# Altium PCB uMultimeter__Pcb.PcbDoc
Units mil, origin at the board's own origin, x right, y up, seen from the top; angles counter-clockwise.
Board outline 1260 x 1260 mil, 2 copper layers (Top Layer, Bottom Layer); 55 components, 58 nets, 209 pads, 55 vias.
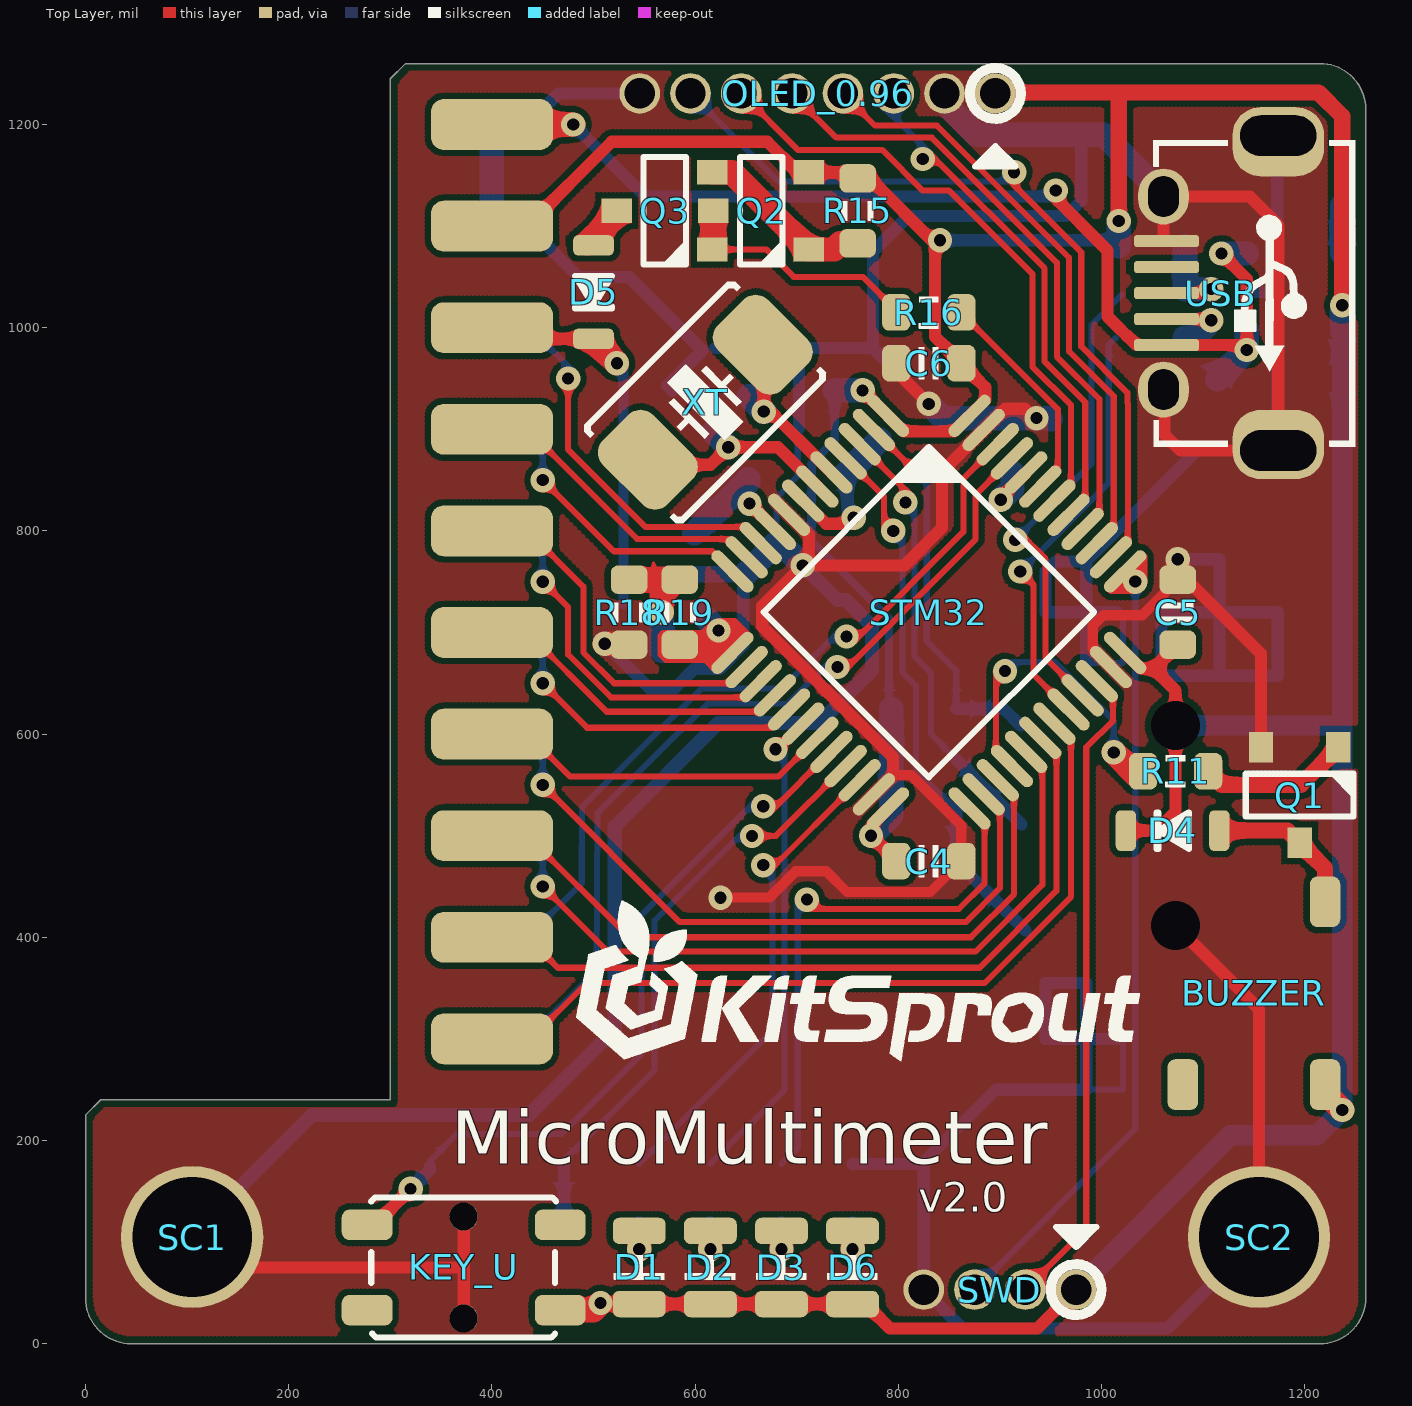
[diagram p0: Top Layer view]
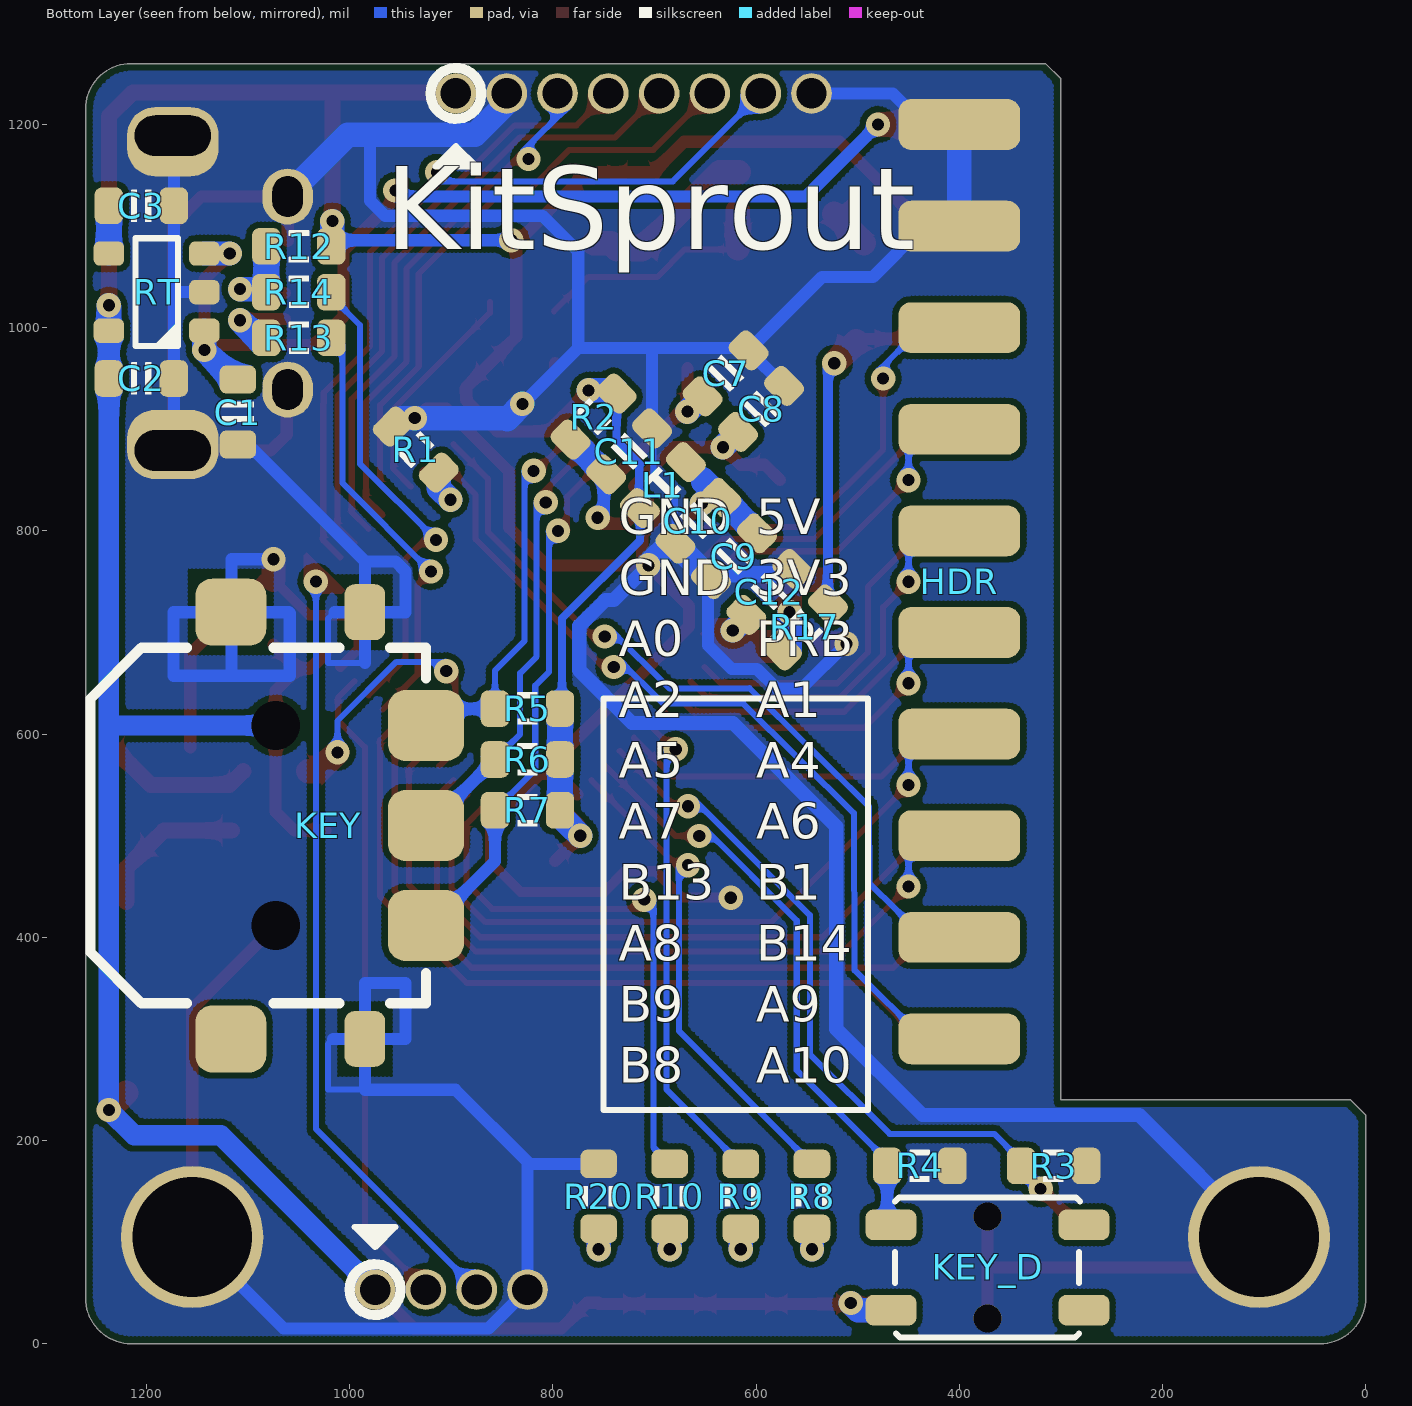
[diagram p1: Bottom Layer view, seen from below]
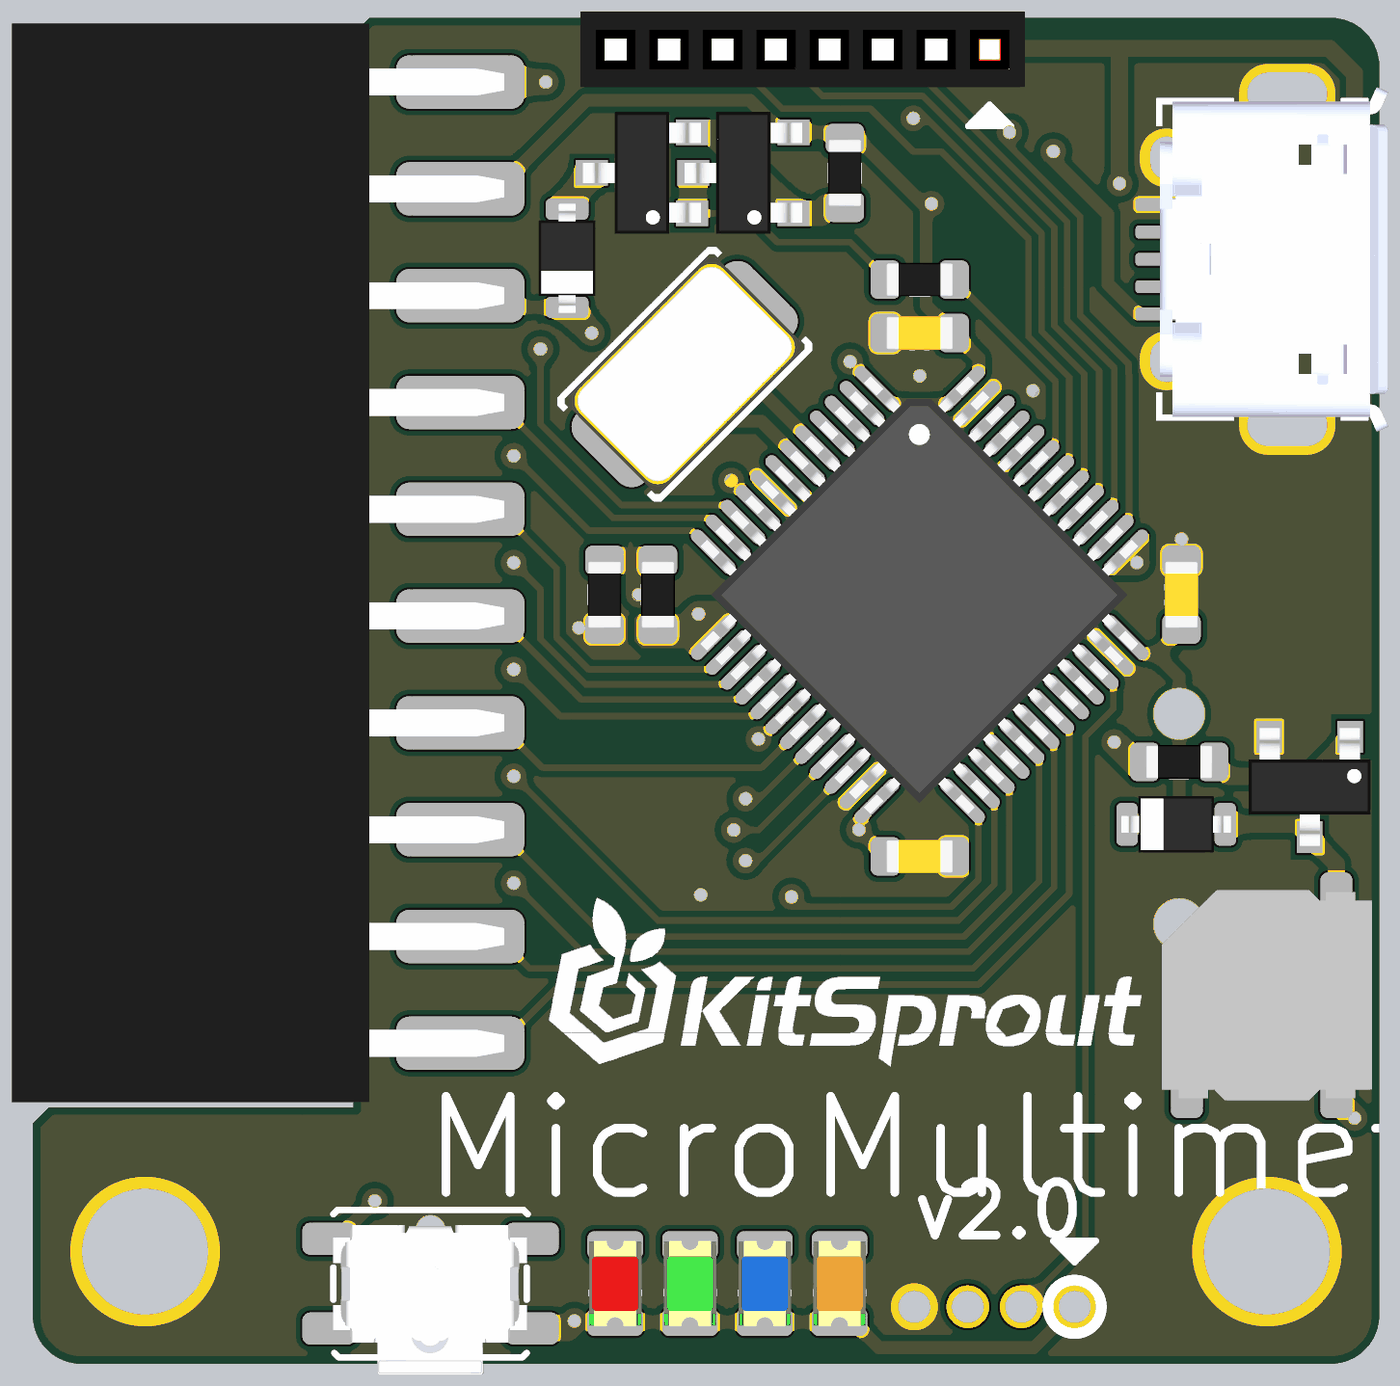
[diagram p2: 3D render of the assembled board from above, using the file's embedded part models]
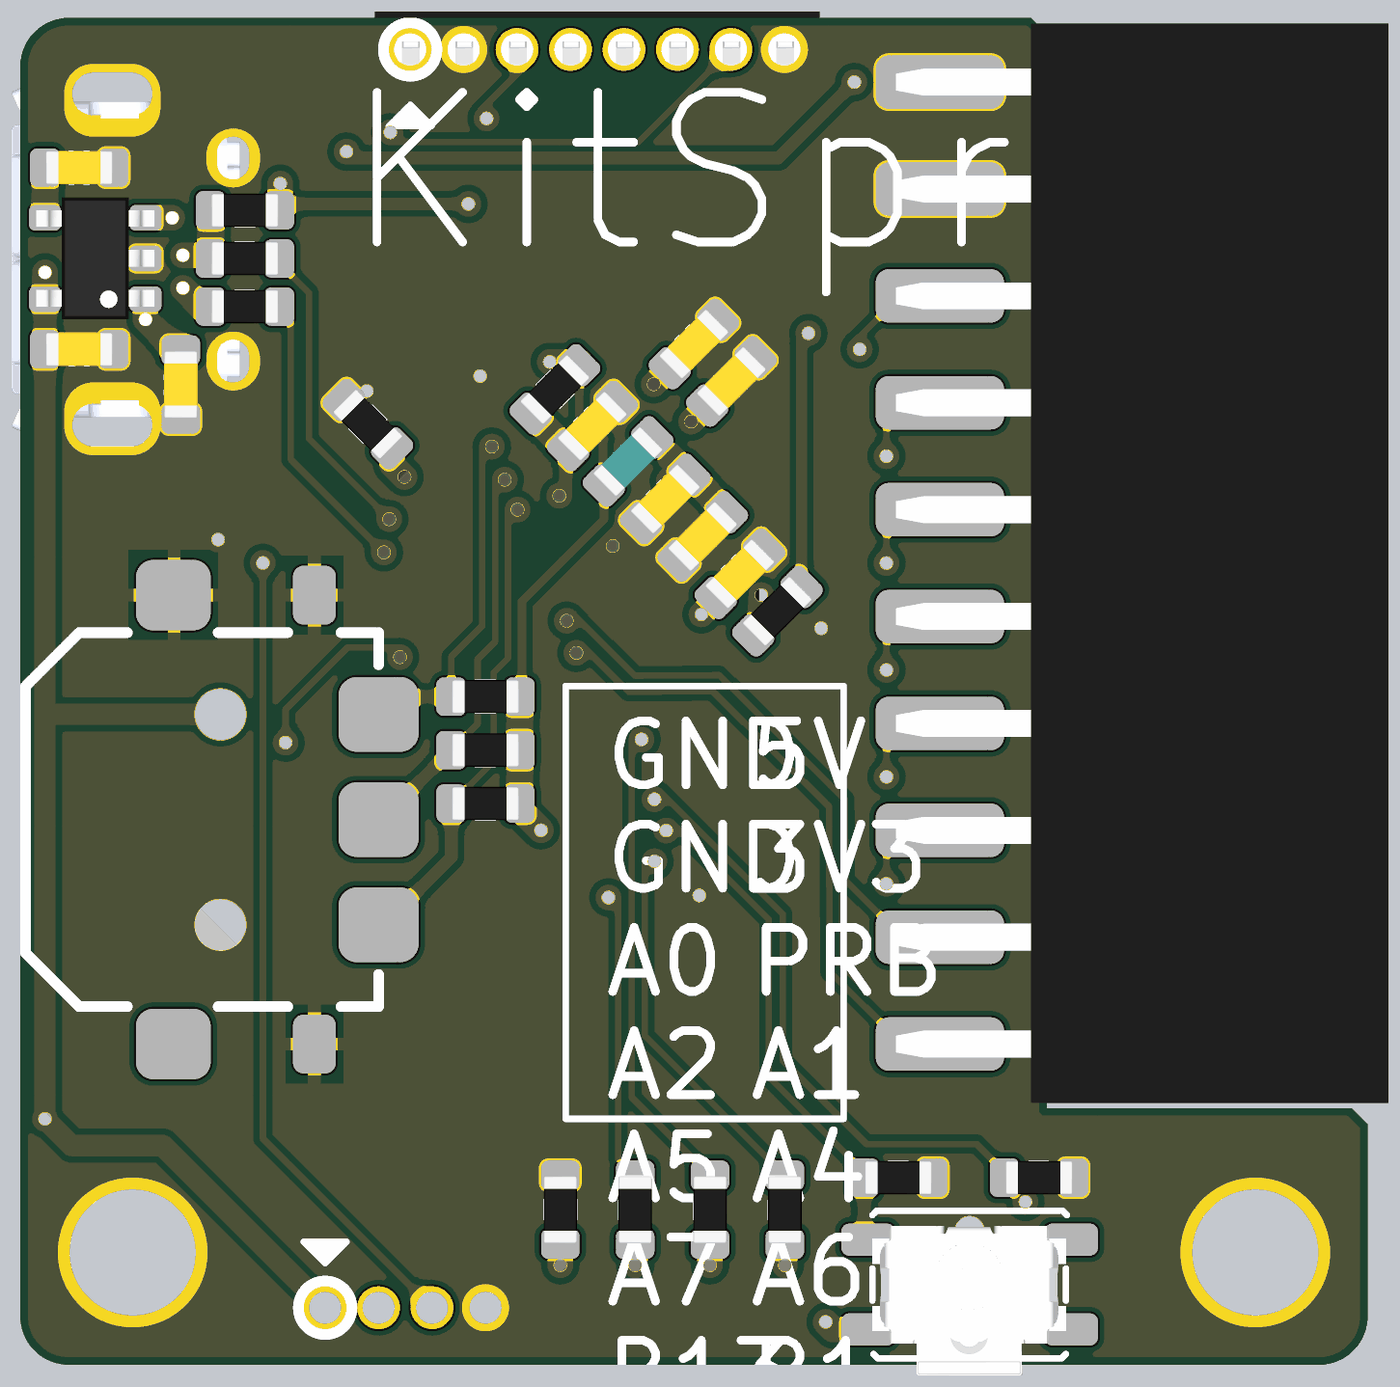
[diagram p3: 3D render of the assembled board from below, using the file's embedded part models]

## Layer stack, top to bottom
Top Solder: solder mask 0.4, Solder Resist, Dk 3.5
Top Layer: signal copper 1.4
Dielectric1: dielectric 12.6, FR-4, Dk 4.8
Bottom Layer: signal copper 1.4
Bottom Solder: solder mask 0.4, Solder Resist, Dk 3.5

## Board outline
0,45 ccw(c45,45) 45,0 1215,0 ccw(c1215,45) 1260,45 1260,1215 ccw(c1215,1215) 1215,1260 315,1260 300,1245 300,240 15,240 0,225

## Design rules (kind name [scope] priority, off if disabled: settings)
Clearance ClearancePolygon [InPolygon] p1: gap=6
Clearance [All] p2: gap=6
ComponentClearance [All] p1: gap=0 collisioncheckmode=3 verticalgap=0 showdistances=FALSE
Height [All] p1: minheight=0 maxheight=5000 prefheight=500
HoleSize [All] p1: absolutevalues=TRUE maxlimit=200 minlimit=1 maxpercent=80.000 minpercent=20.000
HoleToHoleClearance [All] p1: gap=6 allowstackedmicrovias=TRUE
MinimumSolderMaskSliver [All] p1: minsoldermaskwidth=0
PlaneConnect [All] p1: planeconnectstyle=Direct reliefexpansion=20 reliefentries=4 reliefconductorwidth=20 reliefairgap=10
PolygonConnect [All] p1: connectstyle=Direct reliefconductorwidth=20 reliefentries=4 polygonreliefangle="90 Angle" airgapwidth=10
RoutingVias [All] p1: holewidth=12 width=20 viastyle="Through Hole" minholewidth=12 minwidth=20 maxholewidth=100 maxwidth=200
SilkToSilkClearance [All] p1: silktosilkclearance=0
SilkToSolderMaskClearance SilkscreenOverComponentPads [IsPad] p1: minsilkscreentomaskgap=0 clearancetoexposedcopper=TRUE
SolderMaskExpansion [All] p1: expansion=2
Width [All] p1: maxlimit=64 minlimit=6 preferedwidth=10
22 further rules are at their usual default settings.

## Classes and differential pairs
component class uMultimeter_MAIN_Sch: SC1 SC2
component class SWD: SWD
component class PROBE: C12 D5 Q2 Q3 R15 R16 R17 R19 R20
component class OLED: OLED_0.96
component class MCU: C4 C5 C6 C7 C8 C9 C10 C11 L1 R1 R2 STM32 XT
component class LED: D1 D2 D3 R8 R9 R10
component class KEY: KEY KEY_D KEY_U R3 R4 R5 R6 R7
component class EXP: HDR
component class BUZZER: BUZZER D4 Q1 R11
component class PWR: C1 C2 C3 D6 R20 RT
component class USB: R12 R13 R14 USB

## Components (designator, comment, footprint, x,y, rotation, side; value= is the part's Value field where it differs from the comment)
BUZZER "Buzzer" Buzzer_5x5 1155,345 r0 top
C1 "Cap_0603" CAP_0603 1110,917 r90 bottom
C2 "Cap_0603" CAP_0603 1205,950 r0 bottom
C3 "Cap_0603" CAP_0603 1205,1120 r0 bottom
C4 "Cap_0603" CAP_0603 830,475 r180 top
C5 "Cap_0603" CAP_0603 1075,720 r270 top
C6 "Cap_0603" CAP_0603 830,965 r0 top
C7 "Cap_0603" CAP_0603 630,955 r135 bottom
C8 "Cap_0603" CAP_0603 595,920 r135 bottom
C9 "Cap_0603" CAP_0603 621.8,775 r135 bottom
C10 "Cap_0603" CAP_0603 656.8,810 r135 bottom
C11 "Cap_0603" CAP_0603 725,878.2 r315 bottom
C12 "Cap_0603" CAP_0603 587,740 r315 bottom
D1 "LED_0805" LED_0805_RED 545,75 r90 top
D2 "LED_0805" LED_0805_GREEN 615,75 r90 top
D3 "LED_0805" LED_0805_BLUE 685,75 r90 top
D4 "Diode_SOD323" SOD-323 1070,505 r180 top
D5 "Diode_SOD323" SOD-323 500,1035 r270 top
D6 "LED_0805" LED_0805_ORANGE 755,75 r90 top
HDR "HDR2x10_2.54" HDR2X10_2.54_180HF 400,1200 r180 bottom locked
KEY "ButtonPushLever_11*12_90" ButtonPushLever_11*12_90 1065,510 r90 bottom locked
KEY_D "ButtonTACT" ButtonTACT_3.5*3.55_90 372.19,75 r0 bottom
KEY_U "ButtonTACT" ButtonTACT_3.5*3.55_90 372.19,75 r180 top
L1 "Ind_0603" IND_0603 691.67,845 r135 bottom
OLED_0.96 "OLED_0.96" OLED_0.96_96x64_v2 630,630 r0 top locked
Q1 "BJT_NPN" SOT23-3 1195,540 r270 top
Q2 "BJT_PNP" SOT23-3 665,1115 r180 top
Q3 "BJT_PNP" SOT23-3 570,1115 r180 top
R1 "Res_0603" RES_0603 935,880 r225 bottom
R2 "Res_0603" RES_0603 760,912.43 r135 bottom
R3 "Res_0603" RES_0603 307.19,175 r0 bottom
R4 "Res_0603" RES_0603 438.83,175 r0 bottom
R5 "Res_0603" RES_0603 825,625 r180 bottom
R6 "Res_0603" RES_0603 825,575 r180 bottom
R7 "Res_0603" RES_0603 825,525 r180 bottom
R8 "Res_0603" RES_0603 545,145 r270 bottom
R9 "Res_0603" RES_0603 615,145 r270 bottom
R10 "Res_0603" RES_0603 685,145 r90 bottom
R11 "Res_0603" RES_0603 1072.87,563.43 r180 top
R12 "Res_0603" RES_0603 1050,1080 r0 bottom
R13 "Res_0603" RES_0603 1050,990 r180 bottom
R14 "Res_0603" RES_0603 1050,1035 r180 bottom
R15 "Res_0603" RES_0603 760,1115 r90 top
R16 "Res_0603" RES_0603 830,1015 r180 top
R17 "Res_0603" RES_0603 552,705 r135 bottom
R18 "Res_0603" RES_0603 535,720 r270 top
R19 "Res_0603" RES_0603 585,720 r270 top
R20 "Res_0603" RES_0603 755,145 r90 bottom
RT "RT9193" SOT23-5 1190,1035 r0 bottom
SC1 "M3" SCRREW_M3 105,105 r0 top locked
SC2 "M3" SCRREW_M3 1155,105 r0 top
STM32 "STM32F303C" LQFP_P0.5_48 830,720 r315 top locked
SWD "HDR1x4_1.27" HDR1X4_1.27_180 975,53.25 r270 top
USB "USB_Micro" USB_Micro-AB 1164,1034 r270 top
XT "XTAL_5032_2P" XT_5032_2 610,926.6 r45 top

## Footprints (in the part's own frame and the unit in brackets; to place one, negate y for a bottom-side part, rotate by r counter-clockwise, add the part's x,y. Pads: shape width x height; smd on the part's side, far side on the other; paste and mask are expansions set on the pad)
ButtonPushLever_11*12_90 [mil]
  rrect50% 55x40 smd: 0(-210,-80) 0(210,-80)
  round 40 hole 48 mask+0: 0(-98.43,7.87) 0(98.43,7.87)
  rrect50% 70x75 smd: 1(-98.43,-140) 2(0,-140) 3(98.43,-140)
  rrect50% 66x70 smd: 4(210,52) 5(-210,52)
  silkscreen extent -175,-140 175,190
ButtonTACT_3.5*3.55_90 [mil]
  round 27.56 hole 27.56 mask+0: 0(-0.01,-50) 0(0,50)
  rrect50% 50x30 smd: 1(-95,42) 2(-95,-42) 3(95,42) 4(95,-42)
  silkscreen extent -91,-69 91,69, body extent -90,-55 91,85, height 56
Buzzer_5x5 [mil]
  rrect50% 30x50 smd: N(65,90) NC(-75,-90) P(65,-90)
  body extent -98,-98 98,98, height 106
CAP_0603 [mil]
  rrect50% 28x36 smd: 1(-32,0) 2(32,0)
  silkscreen extent -10,-16 10,16, body extent -31,-16 31,16, height 36
HDR1X4_1.27_180 [mil]
  round 40 hole 30: 1(0,0) 2(0,-50) 3(0,-100) 4(0,-150)
HDR2X10_2.54_180HF [mil]
  rrect50% 120x50 smd: 1(0,0) 3(0,-100) 5(0,-200) 7(0,-300) 9(0,-400) 11(0,-500) 13(0,-600) 15(0,-700) 17(0,-800) 19(0,-900)
  rrect50% 120x50 smd far side: 2(0,0) 4(0,-100) 6(0,-200) 8(0,-300) 10(0,-400) 12(0,-500) 14(0,-600) 16(0,-700) 18(0,-800) 20(0,-900)
  body extent -41,-955 420,55, height 88
IND_0603 [mil]
  rrect50% 28x36 smd: 1(-32,0) 2(32,0)
  silkscreen extent -10,-15 10,15, body extent -31,-16 31,16, height 37
LED_0805_BLUE [mil]
  rrect50% 26x52 smd: 1(-36,0) 2(36,0)
  silkscreen extent -12,-24 12,24, body extent -40,-25 40,25, height 43
LED_0805_GREEN [mil]
  rrect50% 26x52 smd: 1(-36,0) 2(36,0)
  silkscreen extent -12,-24 12,24, body extent -40,-25 40,25, height 43
LED_0805_ORANGE [mil]
  rrect50% 26x52 smd: 1(-36,0) 2(36,0)
  silkscreen extent -12,-24 12,24, body extent -40,-25 40,25, height 43
LED_0805_RED [mil]
  rrect50% 26x52 smd: 1(-36,0) 2(36,0)
  silkscreen extent -12,-24 12,24, body extent -40,-25 40,25, height 43
LQFP_P0.5_48 [mil]
  oval 54x12 smd: 1(-165,108.27) 2(-165,88.58) 3(-165,68.9) 4(-165,49.21) 5(-165,29.53) 6(-165,9.84) 7(-165,-9.84) 8(-165,-29.53) 9(-165,-49.21) 10(-165,-68.9) 11(-165,-88.58) 12(-165,-108.27) 25(165,-108.27) 26(165,-88.58) 27(165,-68.9) 28(165,-49.21) 29(165,-29.53) 30(165,-9.84) 31(165,9.84) 32(165,29.53) 33(165,49.21) 34(165,68.9) 35(165,88.58) 36(165,108.27)
  oval 12x54 smd: 13(-108.27,-165) 14(-88.58,-165) 15(-68.9,-165) 16(-49.21,-165) 17(-29.53,-165) 18(-9.84,-165) 19(9.84,-165) 20(29.53,-165) 21(49.21,-165) 22(68.9,-165) 23(88.58,-165) 24(108.27,-165) 37(108.27,165) 38(88.58,165) 39(68.9,165) 40(49.21,165) 41(29.53,165) 42(9.84,165) 43(-9.84,165) 44(-29.53,165) 45(-49.21,165) 46(-68.9,165) 47(-88.58,165) 48(-108.27,165)
  silkscreen extent -115,-115 115,115, body extent -177,-178 177,177, height 61
OLED_0.96_96x64_v2 [mil]
  round 40 hole 30: 1(265.45,600.55) 2(215.45,600.55) 3(165.45,600.55) 4(115.45,600.55) 5(65.45,600.55) 6(15.45,600.55) 7(-34.55,600.55) 8(-84.55,600.55)
  body extent -117,565 298,636, height 134
RES_0603 [mil]
  rrect50% 28x36 smd: 1(-32,0) 2(32,0)
  silkscreen extent -10,-15 10,15, body extent -31,-16 32,16, height 20
SCRREW_M3 [mil]
  round 140 hole 118 mask+0: 0(0,0)
SOD-323 [mil]
  rrect50% 20x40 smd: 1(-46,0) 2(46,0)
  silkscreen extent -16,-18 16,18, body extent -51,-27 51,27, height 43
SOT23-3 [mil]
  rect 30x24 smd: 1(-47,38) 2(-47,-38) 3(47,0)
  silkscreen extent -21,-53 21,53, body extent -55,-57 55,57, height 51
SOT23-5 [mil]
  rrect50% 30x24 smd: 1(-47,38) 2(-47,0) 3(-47,-38) 4(47,-38) 5(47,38)
  silkscreen extent -21,-53 21,53, body extent -55,-57 55,57, height 57
USB_Micro-AB [mil]
  rrect80% 68x90 hole 40 slot 75 at 90 deg copper offset 6,0 mask+0: 0(-155,10)
  oval 55x50 hole 30 slot 40 at 0 deg mask+0: 0(-95,-103) 0(95,-103)
  rrect80% 68x90 hole 40 slot 75 at 90 deg copper offset -6,0 mask+0: 0(155,10)
  rrect50% 12x64 smd: 1(51.18,-100) 2(25.59,-100) 3(0,-100) 4(-25.59,-100) 5(-51.18,-100)
  silkscreen extent -151,-113 151,86, body extent -161,-109 161,104, height 108
XT_5032_2 [mil]
  rrect50% 70x90 smd: 1(-80,0) 2(80,0)
  silkscreen extent -104,-68 104,68, body extent -98,-63 98,63, height 39

## Part data
C1 C2 C3 C4 C5 C6 C7 C8 C9 C10 C11 C12: "Capacitor"
D1 D2 D3 D6: "LED"
D4 D5: "Diode"
HDR SWD: "Header"
KEY KEY_D KEY_U: "Button"
L1: "Inductor"
OLED_0.96: library part OLED_0.96_96*64_v2, "Module"
Q1 Q2 Q3: "Transistor"
R1 R2 R3 R4 R5 R6 R7 R8 R9 R10 R11 R12 R13 R14 R15 R16 R17 R18 R19 R20: "Resistor"
RT: library part SP6205, "Power"
SC1 SC2: library part Screw_M3, "Screw"
STM32: "MCU"
USB: "USB"
XT: "Crystal Oscillator"

## Via types
v1: diameter 24, hole 12, Top Layer to Bottom Layer, 55 vias

## Nets (pads, with @x,y where several pads share a name; then routed paths per layer and width w, separated by ;. In a path a pad name is that pad's centre, name@x,y a point inside that pad or via, vN(x,y) a via of type N, cw(c..) or ccw(c..) an arc to the next point about the centre after c; other vN are vias at no path point)
3V3: BUZZER.P C2.2 C4.2 C5.2 C6.2 D1.1 D2.1 D3.1 D4.2 D6.1 HDR.4 KEY.0@1072.87,608.43 KEY_D.3 KEY_U.1 L1.1 OLED_0.96.1 Q2.2 R2.2 R5.2 R6.2 R7.2 R12.1 R15.2 RT.5 STM32.1 STM32.24 STM32.36 STM32.48 SWD.1 | length 4541.1
  Top Layer w12: HDR.4@435,1100 518,1183 671,1183 701,1153 Q2.2 R15.2@754,1153 ; KEY_U.1@472.19,32.91 478.28,39 505.83,39 D2.1 D6.1 D3.1@696.77,39 ; D6.1@755,40.36 766.31,40.36 791.68,15 936.75,15 SWD.1 ; R15.2 772,1147 v1@837,1082 ; v1(764.88,938.23) STM32.1 805.16,897.95 854.84,897.95 STM32.48 885.57,928.69 885.57,941.43 C6.2 836,991 v1@836,1085 ; STM32.24 774.43,511.31 774.43,498.58 C4.2 ; STM32.36 1038.69,664.43 1051.42,664.43 ; D4.2 1054.64,505 1072.87,523.23 1072.87,608.43 1072.87,642.98 1051.42,664.43 ; C5.2 1051.42,664.43
  Top Layer w16: OLED_0.96.1 896.41,1231.5 1213.5,1231.5 1237,1208 v1(1237,1022) ; v1(1017,1105) 1017,1230
  Top Layer w24: HDR.4 HDR.4@435,1100 ; KEY_U.1@472.19,32.91 499.73,32.91 505.83,39 v1(506.83,40) ; BUZZER.P@1220,247 v1(1237,230)
  Bottom Layer w8: 714,865.49 737.37,888.86 R2.2@737.37,938.23 ; L1.1 714.3,790.7 791,714 791,632 R5.2@798,625 ; L1.1@715,815.25 715,865.49
  Bottom Layer w12: v1(841,1086) 1008,1086 R12.1@1014,1080
  Bottom Layer w20: SWD.1 1126.75,205 1212,205 v1(1237,230) C2.2 RT.5 ; KEY.0@1072.87,608.43 1235,608.43
  Bottom Layer w24: KEY_D.3@472.19,32.91 499.73,32.91 v1(506.83,40) ; R2.2@737.37,938.23 v1(764.88,938.23) ; v1(773.11,500) 793,519.89 R5.2 ; R12.1@1017,1080 v1(1017,1105) ; RT.5 v1(1237,1022)
5V: C1.2 HDR.2 RT.1 RT.3 USB.1 | length 1061.4
  Top Layer w12: v1@951,1131 1006,1076 1006,1011 1034.18,982.82 v1@1138.18,982.82 ; v1(1118,1073) 1143,1048 v1(1143,978)
  Top Layer w24: HDR.2 v1(480,1200)
  Bottom Layer w12: v1(480,1200) 551,1129 v1@955,1129
  Bottom Layer w24: C1.2@1114,949 v1(1143,978) RT.1 ; v1(1118,1073) RT.3
  other v1: 955,1135
BOOT0: R1.2 STM32.44 | length 69
  Top Layer w12: v1(900.79,830.55) 900.79,832.55 STM32.44
  Bottom Layer w24: v1(900.79,830.55) 912.37,842.13 R1.2
BUZZER: R11.2 STM32.28 | length 298.7
  Top Layer w6: v1@895.94,662 895.94,584.46 STM32.28
  Top Layer w24: v1(1012,582) 1030.58,563.43 R11.2
  Bottom Layer w6: v1@904.94,671 954,671 1012,613 v1(1012,582)
  other v1: 904.94,662
EXP_01: HDR.5 STM32.10 | length 337.4
  Top Layer w6: v1(475,950) 475,880 551,804 648.56,804 STM32.10@648.65,803.92
  Bottom Layer w6: HDR.5@437,1000 v1@481,956
EXP_02: HDR.8 STM32.11 | length 302.9
  Top Layer w6: HDR.8 435,900 543,792 632.73,792 STM32.11
EXP_03: HDR.7 STM32.12 | length 315.2
  Top Layer w6: v1(450,850) 520,780 616.89,780 STM32.12
  Bottom Layer w6: HDR.7 435,900 450,885 v1(450,850)
EXP_04: HDR.10 STM32.14 | length 357.3
  Top Layer w6: HDR.10 435,800 490,745 490,680.3 520.27,650.03 634.76,650.03 STM32.14
EXP_05: HDR.9 STM32.15 | length 386.9
  Top Layer w6: v1(450,750) 475,725 475,678.33 517.22,636.12 648.68,636.12 STM32.15
  Bottom Layer w6: HDR.9 435,800 450,785 v1(450,750)
EXP_06: HDR.12 STM32.16 | length 317.5
  Top Layer w6: HDR.12 435,700 513,622 662.4,622 STM32.16
EXP_07: HDR.11 STM32.17 | length 359.2
  Top Layer w6: v1(450,650) 493.72,606.28 674.52,606.28 STM32.17
  Bottom Layer w6: HDR.11 435,700 450,685 v1(450,650)
EXP_08: HDR.14 STM32.19 | length 384.5
  Top Layer w6: HDR.14@431,600 HDR.14 435,600 476.9,558.1 682.02,558.1 STM32.19
EXP_09: HDR.13 STM32.26 | length 709.8
  Top Layer w6: v1(450,550) 585,415 866.46,415 899.97,448.51 899.97,524.76 STM32.26
  Bottom Layer w6: HDR.13 435,600 450,585 v1(450,550)
EXP_10: HDR.16 STM32.27 | length 722.7
  Top Layer w6: HDR.16@431,500 HDR.16 435,500 535,400 871.46,400 913.88,442.43 913.88,538.68 STM32.27
EXP_11: HDR.15 STM32.29 | length 774
  Top Layer w6: v1(450,450) 513.98,386.02 876.02,386.02 941.72,451.72 941.72,566.52 STM32.29
  Bottom Layer w6: HDR.15 435,500 450,485 v1(450,450)
EXP_12: HDR.18 STM32.30 | length 787.7
  Top Layer w6: HDR.18@431,400 HDR.18 435,400 465,370 880,370 955.64,445.64 955.64,580.44 STM32.30
EXP_13: HDR.17 STM32.46 | length 822.3
  Top Layer w6: v1@755,690 864,799 864,851.44 STM32.46
  Bottom Layer w6: HDR.17@450,385 435,400 HDR.17 434.58,399.83 488.42,453.15 488.79,528.57 606.46,645.08 685.13,644.7 v1@743,702
  other v1: 749,696
EXP_14: HDR.20 STM32.31 | length 805.9
  Top Layer w6: HDR.20@399.2,300 438.39,300 493.39,355 885,355 970,440 970,593.92 STM32.31
EXP_15: HDR.19 STM32.45 | length 914.1
  Top Layer w6: v1@745.61,661.39 876,791.79 876,835.6 STM32.45
  Bottom Layer w6: HDR.19@450,285 435,300 HDR.19 434.58,299.83 502.98,367.56 503.74,522.29 612.59,630.08 691.26,629.69 v1@735,673
  other v1: 740,666
GND: C1.1 C2.1 C3.1 C4.1 C5.1 C6.1 C7.2 C8.2 C9.1 C10.1 C11.1 C12.1 HDR.1 HDR.3 KEY.0@985,300 KEY.0@985,720 KEY.0@1072.87,411.57 KEY.4 KEY_D.0 KEY_U.0 OLED_0.96.2 OLED_0.96.8 Q1.2 R1.1 R3.1 R4.1 R18.2 R20.2 RT.2 SC1.0 SC2.0 STM32.8 STM32.23 STM32.35 STM32.47 SWD.4 USB.0 USB.5 | length 8575.8
  Top Layer w10: v1(625,439) 673,439 699,465 729.16,465 749.53,444.63 831.63,444.63 C4.1 862,510.37 812.75,559.62 STM32.23@794.89,559.62 ; STM32.35 991.38,683.89 991.38,706.38 1002.02,717.02 1040.02,717.02 C5.1
  Top Layer w12: SC1.0 135,75 372.19,75 ; KEY_D.0@372.19,25 372.19,75 ; KEY_D.0@372.19,124.99 372.19,75 ; STM32.8 712,796.24 v1@712,766 ; v1@712,765 v1@712,766 ; STM32.23 794.89,559.62 794.89,576.91 729.81,642 728.67,643.14 727.92,643.14 725.3,645.76 725.3,646.51 666,705.81 666,726 v1(706,766) v1@712,766 ; C6.1 798,957 v1(830,925) ; v1(936,911) 934,911 924.73,920.27 905,920.27 843,858.27 843,803 806,766 v1@712,766 ; USB.5@1061,1085.18 1061,1129 1146,1129 1174,1101 1174,879 1077.67,879 1062,894.67 USB.0@1062,940 ; KEY.0@1072.87,411.57 1155,329.45 SC2.0 ; C5.1 1084.17,752 1157,679.17 Q1.2
  Top Layer w24: v1(511,689) R18.2@535,689 ; C5.1 v1(1075,772)
  Bottom Layer w6: C10.1@680.05,788 680.05,832.05 701,854 C11.1@701,900.46 ; C11.1@702,900.46 C11.1 ; 985,250 1021.23,250 1021.23,295 1016.23,300 ; 985,670 1021.23,670 1021.23,713.77 1015,720
  Bottom Layer w12: HDR.3 435,1100 485,1050 535,1050 C7.2 C8.2 ; HDR.1@435,1200 465.55,1230.55 OLED_0.96.8 ; v1(511,689) 555,645 580,645 599,664 624,664 647.32,687.32 C9.1@647.32,743.93 ; C7.2@619.75,980 702.37,980 ; C10.1 C10.1@680.05,788 ; C11.1 702.37,980 ; R20.2 825,177 SWD.4 863.25,15 1065,15 SC2.0 ; 825,179 896,250 985,250 985,355 945,355 945,300 985,300 1016.23,300 ; v1(830,925) 775,980 ; 980,1190 980,1125 965,1110 810,1110 775,1075 775,980 ; 985,670 985,770 ; 1015,720 985,720 945,720 945,760 955,770 985,770 ; v1(1075,772) 1116.18,772 1116.18,657.45 ; C1.1@1114.61,880 1095,880 985,770 ; RT.2 1173,1035 ; USB.0@1173,880 1173,1035 ; USB.0@1173,1190 C3.1 1173,1035 ; 702.37,980 775,980 ; 1116.18,657.45 1173.46,657.45 1173.46,720 KEY.4 1060,720 1058.91,718.91 1058.91,657.45 1116.18,657.45
  Bottom Layer w14: SC1.0@102.96,105 222.96,225 436.2,225 521,309.8 521,509.15 622.85,611 722.1,611 774,662.9 774,706.36 748.36,732 740,732 v1(706,766)
  Bottom Layer w16: C12.1@570,757.37 C9.1@649.42,757.37
  Bottom Layer w24: HDR.3 HDR.1 ; C9.1@649.42,757.37 C10.1 ; C10.1@682.03,789.97 v1(706,766) ; v1(830,925) 845,910 846,911 v1(936,911) 949.25,911 R1.1@950.25,910 ; OLED_0.96.2@845.45,1221.18 876.63,1190 1002,1190 USB.0@1062,1130
KEY_D: KEY_D.4 R4.2 STM32.21 | length 584.3
  Top Layer w6: v1(656,499.74) 679.33,499.74 STM32.21
  Bottom Layer w6: R4.2 470.83,180 560,269.17 560,416.47 v1@649.64,506.1
  Bottom Layer w12: R4.2 470.83,118.45 KEY_D.4@472.19,117.09
KEY_L: KEY.1 R7.1 STM32.4 | length 530.6
  Top Layer w6: STM32.4 786,833.6 v1@786,800
  Bottom Layer w6: v1@804,800 804,661 817.32,647.68 817.32,564.68 R7.1
  Bottom Layer w12: R7.1 857,474.81 KEY.1@925.1,406.71
  other v1: 795,800
KEY_P: KEY.2 R6.1 STM32.3 | length 431.6
  Top Layer w6: STM32.3 v1@812.22,835.22
  Bottom Layer w6: v1@816,828 816,676.32 832.32,660 832.32,599.68 R6.1
  Bottom Layer w12: R6.1 KEY.2@921.12,510.88
  other v1: 807,828
KEY_R: KEY.3 R5.1 STM32.2 | length 378.4
  Top Layer w6: STM32.2 v1@820,855.27
  Bottom Layer w6: v1@828,859 828,691.45 857,662.45 R5.1
  Bottom Layer w12: R5.1 903.66,625 KEY.3@920.24,608.43
  other v1: 819,859
KEY_U: KEY_U.4 R3.2 STM32.20 | length 726.4
  Top Layer w6: v1@674.38,523.62 STM32.20@734.21,583.45
  Top Layer w12: KEY_U.4@272.19,117.09 284.76,117.09 v1(320,152.33)
  Bottom Layer w6: R3.2@339.19,180 365.61,206.42 468.53,206.42 547.09,284.97 547.09,421.81 v1@660.64,535.36
  Bottom Layer w12: v1(320,152.33) 339.19,171.52 R3.2
  other v1: 667,529
LED_B: R10.2 STM32.25 | length 531.5
  Top Layer w6: v1@710,428 859.73,428 885,453.27 885,511.89 STM32.25
  Bottom Layer w6: R10.2 701,193 v1@701,436.76
  other v1: 710,437.09
LED_G: R9.1 STM32.18 | length 481.1
  Top Layer w6: v1@676.08,580 STM32.18
  Bottom Layer w6: R9.1 688.08,250.08 v1@688.08,585
  other v1: 679.08,585
LED_R: R8.1 STM32.22 | length 475.7
  Top Layer w6: v1@671.22,463.78 STM32.22
  Bottom Layer w6: R8.1 676,308 v1@676,470
  other v1: 667,471
NetBUZZER_N: BUZZER.N D4.1 Q1.3 | length 152.3
  Top Layer w16: D4.1 1183,505 Q1.3 1220,468 BUZZER.N
NetC3_2: C3.2 RT.4 | length 47
  Bottom Layer w24: RT.4 C3.2
NetD1_2: D1.2 R8.2 | length 38
  Top Layer w24: v1(545,93) D1.2
  Bottom Layer w24: v1(545,93) R8.2
NetD2_2: D2.2 R9.2 | length 38
  Top Layer w24: v1(615,93) D2.2
  Bottom Layer w24: v1(615,93) R9.2
NetD3_2: D3.2 R10.1 | length 38
  Top Layer w24: v1(685,93) D3.2
  Bottom Layer w24: v1(685,93) R10.1
NetD5_1: D5.1 Q3.3 | length 41
  Top Layer w24: D5.1@494,1083 Q3.3@523,1112
NetD6_2: D6.2 R20.1 | length 38
  Top Layer w24: v1(755,93) D6.2
  Bottom Layer w24: v1(755,93) R20.1
NetQ1_1: Q1.1 R11.1 | length 149
  Top Layer w16: R11.1 1118.3,550 1196,550 Q1.1
NetQ2_1: Q2.1 Q3.2 R15.1 | length 177
  Top Layer w24: Q3.2 636,1153 Q2.1 737,1077 743,1083 R15.1
NetQ2_3: Q2.3 Q3.1 R16.2 | length 244.3
  Top Layer w6: Q3.1 670,1077 697,1050 765,1050 R16.2@799,1016
  Top Layer w24: Q3.1@618,1078 Q2.3
NetR12_2: R12.2 R14.1 USB.3 | length 111
  Top Layer w12: USB.3 v1@1107,1034
  Bottom Layer w24: R12.2 1082,1038 v1(1108,1038)
NetR13_1: R13.1 USB.2 | length 76.2
  Top Layer w12: USB.2 v1@1107,1008.41
  Bottom Layer w24: R13.1 1090.59,990 v1(1108,1007.41)
NetR17_1: R17.1 R18.1 R19.1 | length 120
  Top Layer w24: R18.1 R19.1 ; v1(567,720) R19.1@567,752
  Bottom Layer w24: R17.1@567,682 v1(567,720)
NetUSB_4: USB.4
OLED_CS: OLED_0.96.7 STM32.38 | length 780.1
  Top Layer w6: v1@909.62,1144.62 980,1074.24 980,981.55 1025.5,936.05 1025.5,925.92 1026,925.42 1026,790.73 STM32.38
  Bottom Layer w6: OLED_0.96.7 682,1144 v1@914,1144
  other v1: 914,1153
OLED_DC: OLED_0.96.5 STM32.40 | length 615.9
  Top Layer w6: OLED_0.96.5 739,1187 832.93,1187 956,1063.93 956,971.61 998,929.61 998,818.4 STM32.40
OLED_RST: OLED_0.96.6 STM32.42 | length 605.9
  Top Layer w6: OLED_0.96.6 645.67,1230.55 701.21,1175 784,1175 824,1135 850,1135 932,1053 932,961.67 970,923.67 970,846.08 STM32.42
OLED_SCK: OLED_0.96.4 STM32.39 | length 595.6
  Top Layer w6: OLED_0.96.4 777,1199 837.93,1199 968,1068.93 968,976.58 1012.05,932.54 1012.05,804.61 STM32.39
OLED_SDI: OLED_0.96.3 STM32.41 | length 491.2
  Top Layer w6: v1@831.16,1171.16 944,1058.31 944,966.64 984,926.64 984,832.24 STM32.41
  Bottom Layer w6: OLED_0.96.3@783.5,1219.5 v1@830,1173
  other v1: 824,1166
PROBE: D5.2 HDR.6 R17.2 | length 369
  Top Layer w12: HDR.6 411,989 D5.2@496,989
  Top Layer w24: D5.2@501.5,986.5 v1(523,965)
  Bottom Layer w10: R17.2 v1@529.37,965.63
PROBE_I: C12.2 R19.2 STM32.13 | length 21.7
  Bottom Layer w24: C12.2@607.63,717.37 v1(623,702)
PROBE_O: R16.1 STM32.43 | length 227.9
  Top Layer w6: R16.1@862,1025 R16.1 862,1014.7 957,919.7 957,860.92 STM32.43
RST: C11.2 R2.1 STM32.7 | length 153.3
  Top Layer w12: STM32.7 729.07,807.01 v1@755.77,807.01
  Bottom Layer w12: C11.2@748.93,854.28 C11.2 749.93,853.28 v1@749.93,813 ; R2.1@781.85,889.8 R2.1
  Bottom Layer w24: C11.2 R2.1@781.85,889.8
  other v1: 756,813.01
SW_CLK: STM32.37 SWD.3 | length 762.4
  Bottom Layer w6: SWD.3 1033.23,211.48 v1(1033.23,750.12)
SW_DIO: STM32.34 SWD.2 | length 641.2
  Top Layer w6: SWD.2 985,113.25 985,587 1011.32,613.32 1011.32,636.12 STM32.34
USB_DM: R13.2 STM32.32 | length 424.4
  Top Layer w6: v1(920,760) 933,747 933,658.76 STM32.32
  Bottom Layer w6: v1(920,760) 1007.16,847.16 1007.16,983.16 R13.2@1014,990
USB_DP: R14.2 STM32.33 | length 470
  Top Layer w6: v1@920,797.43 945,772.43 945,674.6 STM32.33
  Bottom Layer w6: v1(915,791.11) 990,866.11 990,1002.63 R14.2@1020.19,1032.81
VDDA: C9.2 C10.2 L1.2 STM32.9 | length 129.2
  Top Layer w12: v1(653.53,826.87) STM32.9
  Bottom Layer w24: C9.2 599.17,797.75 652.28,850.86 652.28,848.13 ; C10.2@642.28,838.13 v1(653.53,826.87)
XT_I: C7.1 STM32.5 XT.2 | length 151.2
  Top Layer w12: XT.2@667.63,960 667.63,924.13 STM32.5
  Bottom Layer w24: C7.1 v1(667.63,917.37)
XT_O: C8.1 STM32.6 XT.1 | length 194.4
  Top Layer w12: XT.1@576.57,850 591.57,865 615.25,865 v1(632.63,882.37) 681.55,882.37 STM32.6
  Bottom Layer w24: C8.1 v1(632.63,882.37)
pads on no net: BUZZER.NC KEY.5 KEY_D.1 KEY_D.2 KEY_U.2 KEY_U.3

## Polygon pours and split planes (outlines as drawn)
GND on Top Layer "Top Layer-No Net" (hatched 90Degree grid 4 track 6, remove dead copper, pour order 6): 320,1250 310,1240 310,1230 310,240 310,235 305,230 216.65,230 20,230 10,220 10,130 10,45 ccw(c45,45) 45,10 1215,10 ccw(c1215,45) 1250,45 1250,1215 ccw(c1215,1215) 1215,1250
GND on Bottom Layer "Top Layer-No Net" (hatched 90Degree grid 4 track 6, remove dead copper, pour order 8): 320,1250 310,1240 310,1230 310,240 310,235 305,230 216.65,230 20,230 10,220 10,130 10,45 ccw(c45,45) 45,10 1215,10 ccw(c1215,45) 1250,45 1250,1215 ccw(c1215,1215) 1215,1250

## Other copper
Top Layer:
  region net PROBE_I: 655.44,698.56 640,714 623,714 623,702 614.5,710.5 606,702 567,702 563,698 563,677 570,670 600,670 609,670 617.94,661.06
  region net SW_CLK: 1042.06,778.94 1045,776 1045,750 1033.35,750 1033.35,738 1008,738 1004.56,741.44
Bottom Layer:
  pour cut-out: 1015,340 1015,260 955,260 955,340
  pour cut-out: 1162,765.3 1072,765.3 1072,675 1162,675
  pour cut-out: 1015,760 1015,680 955,680 955,760

## Silkscreen, mask and mechanical layers (free items; w line width, h text height)
Top Overlay:
  drawing of 5038 lines, arcs and shapes, not listed
  text "MicroMultimeter" at 360,160 h90
  text "v2.0" at 820,120 h50
Bottom Overlay:
  circle w10: c895.45,1230.55 r25.01
  circle w10: c975,53.25 r25.01
  region: 915.45,1158.79 875.45,1158.79 895.45,1178.79
  region: 955,115 995,115 975,95
  lines w6: 490,230 490,635 750,635 750,230 490,230 ; 875.45,1158.79 895.45,1178.79 915.45,1158.79 875.45,1158.79 ; 955,115 995,115 975,95 955,115
  text "KitSprout" at 965,1050 h140
  text "5V / 3V3 / PRB / A1 / A4 / A6 / B1 / B14 / A9 / A10" at 600,245 h60
  text "GND / GND / A0 / A2 / A5 / A7 / B13 / A8 / B9 / B8" at 735,245 h60
Mechanical 1:
  the board outline again, w2
Drill Drawing:
  text ".Legend" at 1475,15 h60

## Panel: embedded boards
"MicroMultimeter__Pcb_View.PcbDoc" at -15,-1100, 1 rows x 1 columns, spacing 0 x 0, rotation 0
"MicroMultimeter__Pcb_View.PcbDoc" at 3385,-1100, 1 rows x 1 columns, spacing 0 x 0, rotation 0